# Altium PCB FlexiCan.PcbDoc (part 2 of 2)
Units mil, origin at the board's own origin, x right, y up, seen from the top; angles counter-clockwise.
Board outline 2800 x 1440 mil, 4 copper layers (Top Layer, Layer 1, Layer 2, Bottom Layer), stack 30.406 mil thick; 104 components, 92 nets, 498 pads, 201 vias.
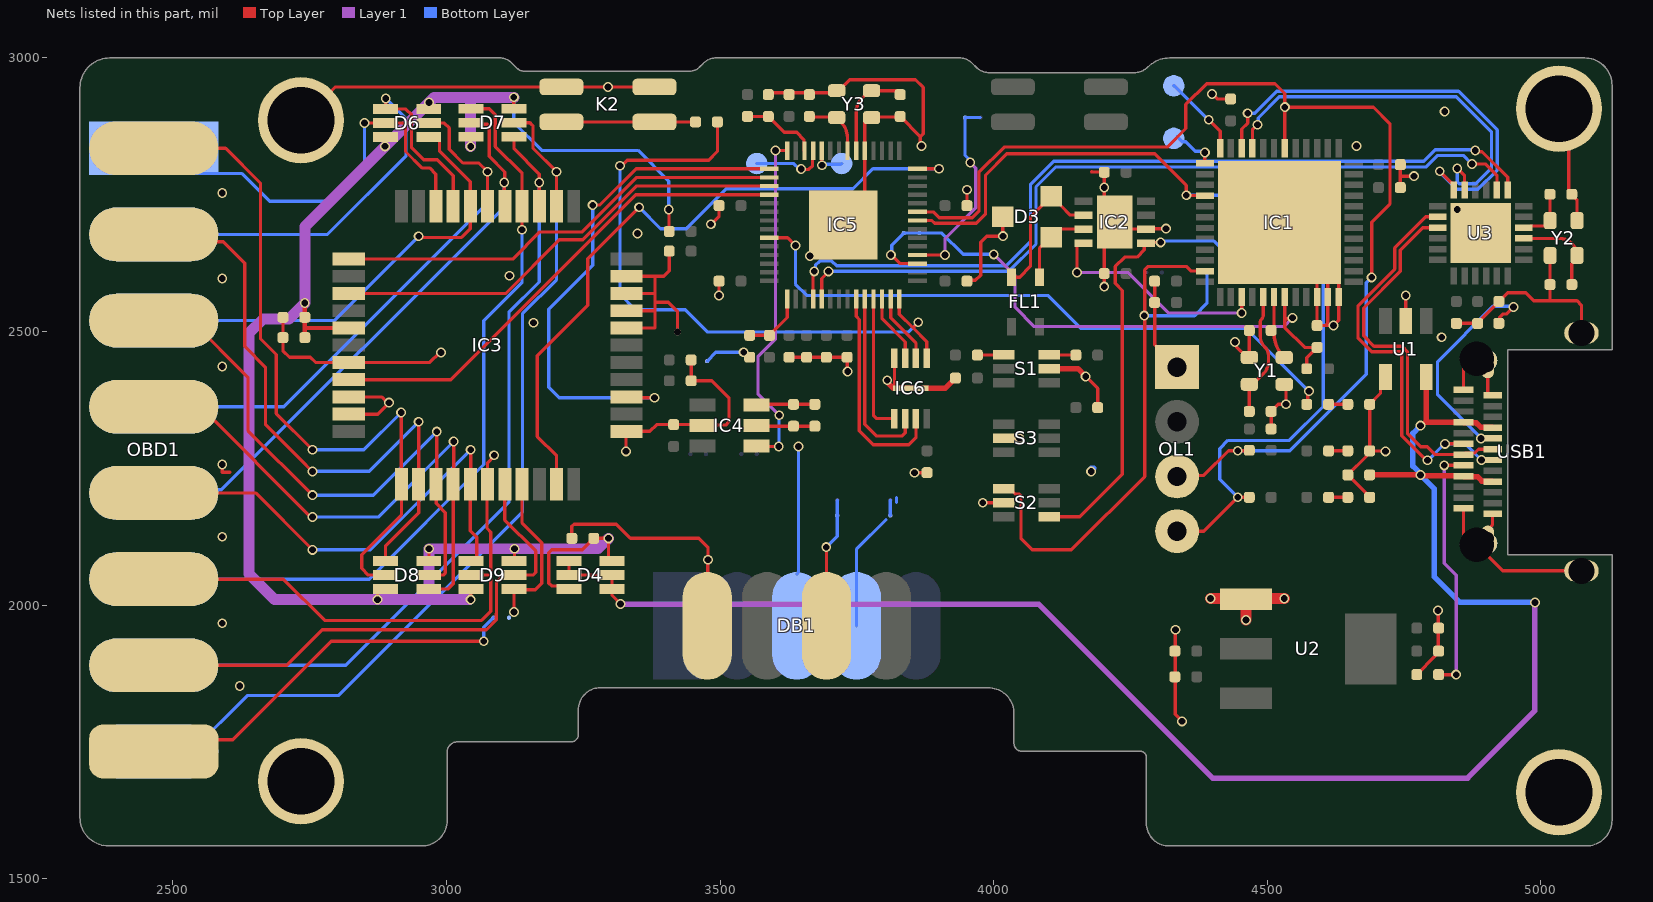
[diagram p4: the nets of this part, all layers, seen from the top]

## Via types
v1: diameter 18, hole 12.3, Top Layer to Bottom Layer, tented both sides, 200 vias
v2: diameter 12.3, hole 12.3, Top Layer to Bottom Layer, tented both sides, 1 vias

## Nets (pads, with @x,y where several pads share a name; then routed paths per layer and width w, separated by ;. In a path a pad name is that pad's centre, name@x,y a point inside that pad or via, vN(x,y) a via of type N, cw(c..) or ccw(c..) an arc to the next point about the centre after c; other vN are vias at no path point) (continued)
FDCAN_TX1: IC1.47 S2.1 SB6.1 | length 1079.1
  Top Layer w6: S2.1@4018.66,2212.59 4029.49,2212.59 4039.02,2203.06 4046.49,2203.06 4050,2199.54 4050,2121.51 4070.51,2101 4142,2101 4276,2235 4276,2529 4276,2612.58 4282.42,2619 4352,2619 4360.58,2610.42 IC1.47@4386.17,2610.42
  Bottom Layer w6: v1(4275,2529) 4367,2529 4389.58,2551.58 SB6.1@4389.58,2608
FDCAN_TX_TRANS: IC2.1 S2.4 SB6.2 | length 820.2
  Top Layer w4.41: IC2.1@4278.09,2661.61 4279.47,2663 v1(4305,2663)
  Top Layer w6: S2.4@4101.34,2161.41 4157.41,2161.41 4235,2239 4235,2575 4222,2588 4222,2619 4239,2636 4261.92,2636 4275.16,2649.24 4275.16,2658.69 IC2.1@4278.09,2661.61
  Bottom Layer w6: v1(4305,2663) 4307.3,2665.3 4402.7,2665.3 4418,2650 SB6.2@4418,2608
GND: C1.1 C2.1 C3.1 C4.1 C5.1 C6.1 C7.1 C8.2 C9.2 C10.1 C11.1 C12.1 C13.1 C14.1 C15.1 C16.1 C17.1 C18.1 C19.1 C20.1 C21.1 C22.1 C23.1 C24.1 C25.1 C26.1 C27.1 C28.1 C29.1 C30.1 C31.1 C34.1 C35.1 C36.2 C37.1 C38.1 C39.1 C40.1 C41.1 C42.1 C43.1 D1.2 D2.2 D3.3 D5.2 DB1.3 DB1.6 IC1.10 IC1.11 IC1.12 IC1.49 IC2.2 IC2.9 IC3.12 IC3.18 IC3.19 IC3.20 IC3.21 IC3.40 IC3.42 IC3.43 IC4.2 IC5.19 IC5.57 IC6.4 IC6.9 K2.1 K2.3 OL1.1 pad.9 R1.1 R2.1 R3.1 R14.1 S1.2 S2.2 S3.2 SB8.2 U1.2 U1.4 U2.1 U3.25 USB1.1 USB1.2 USB1.3 USB1.4 USB1.A1 USB1.A12 USB1.B1 USB1.B12 Y1.2 Y1.4 Y2.2 Y2.4 Y3.2 Y3.4 | length 7788.4
  Top Layer w6: v1(2590,2257) 2590,2243 2604,2243 ; C19.1@2701,2526 C21.1@2701,2489 2701,2465 2713,2453 2751,2453 2760.5,2443.5 IC3.40@2821.06,2443.5 2969.5,2443.5 2987.52,2461.52 v1(2989.99,2461.52) ; pad.9@2730,2882 pad.9@2734,2886 2736.08,2886 2797.08,2947 K2.1@3210,2947 v1(3295,2947) K2.3@3380,2947 ; IC3.43@2821.06,2349.02 2874.02,2349.02 v1(2895,2370) 2891.75,2370 2881.24,2380.51 IC3.42@2821.06,2380.51 ; v1(3115,2602) 3116,2602 v1@3116,2601 ; C20.1@3229,2122 3229,2144 3233,2148 3310,2148 3336,2122 3461,2122 3462.98,2120.02 3478,2105 v1(3478,2083) 3477.21,2082.21 3477.21,1963 DB1.6@3476.42,1962.2 ; v1(3328,2281) 3328,2316.58 IC3.12@3328.94,2317.52 3371.52,2317.52 3384,2330 C27.1@3415,2330 3465.79,2330 IC4.2@3467.79,2328 3468.79,2329 3510,2329 3516,2335 3516,2379 3485,2410 C28.1@3447,2410 C29.1@3447,2448 ; IC3.18@3328.94,2506.5 3381,2506.5 3381,2537.99 ; IC3.19@3328.94,2537.99 3381,2537.99 ; IC3.20@3328.94,2569.49 3381,2569.49 ; IC3.21@3328.94,2600.98 3381,2600.98 ; v1@3348,2679 v1(3349,2679) ; R14.1@3407,2647 3407,2611 3396.98,2600.98 3381,2600.98 ; v2(3422,2499) 3422,2537 3405.26,2553.74 3381,2553.74 ; v1(3483,2696) 3483.5,2696 3498,2710.5 C24.1@3498,2725 ; v1(3498,2566) C22.1@3498,2592 ; v1(3543,2462) 3546.69,2458.31 3547.15,2458.31 3547.15,2457.85 C35.1@3552,2453 ; C34.1@3588,2933 3591.61,2936.61 3709.39,2936.61 Y3.2@3713,2940.21 3716.94,2940.21 3736.72,2960 3857,2960 3871,2946 3871,2861.59 3865.7,2856.3 ; C42.1@3626,2453 C30.1@3658,2453 C23.1@3694,2453 C41.1@3732,2453 3732.5,2452.5 3732.5,2427.5 v1(3733,2427) ; v1(3664,2638) 3721,2695 IC5.57@3725,2695 3764.37,2734.37 IC5.19@3764.37,2830.35 3764.37,2880.96 3774.41,2891 Y3.4@3776.78,2891 3777.78,2892 3828,2892 C39.1@3829,2893 3865.7,2856.3 ; IC6.4@3818.47,2451.12 3818.47,2397.97 IC6.9@3820.44,2396 ; v1(3855,2242) C37.1@3878,2242 ; v1(3868,2839) 3865.7,2841.3 3865.7,2856.3 ; C43.1@3951,2592 3952.49,2593.49 3966.49,2593.49 3976,2603 3976,2663 3987.29,2674.29 v1(4016.71,2674.29) D3.3@4016.71,2710 ; C25.1@3951,2730 v1(3951,2759) ; v1(3980,2187) S2.2@4018.66,2187 ; S3.2@4018.66,2305 v1(4047,2305) ; v1(4168,2418) 4190,2396 C18.1@4190,2361 ; 4179,2792 4179.5,2791.5 4201.5,2791.5 C9.2@4202,2791 v1(4202,2763) 4202,2719 IC2.9@4221,2700 ; v1(4202,2582) R1.1@4202,2606 4202,2681 IC2.9@4221,2700 ; C6.1@4294,2592 C7.1@4294,2553 4294,2476 OL1.1@4335,2435 ; v1(4315,2688) 4314.6,2687.6 4278.48,2687.6 IC2.2@4278.09,2687.2 4233.8,2687.2 IC2.9@4221,2700 ; v1(4332,1955) 4331.5,1954.5 4331.5,1800.38 4344.2,1787.68 v1(4344.2,1787.63) ; v1(4399,2934) 4399.51,2934 4408.51,2925 C5.1@4433,2925 ; v1(4441,2481) 4443.3,2478.7 4443.3,2472.48 4463.17,2452.61 Y1.4@4467.11,2452.61 4467.11,2501.89 C11.1@4467,2502 ; U2.1@4459.38,2012 U2.1@4460.83,2010.55 ; C38.1@4507,2322 C10.1@4507,2354 4520,2367 v1(4534,2367) 4534,2400.28 Y1.2@4530.89,2403.39 ; IC1.49@4522,2699 IC1.49@4590.9,2630.1 ; D2.2@4687,2197 4687,2198 C1.1@4647,2238 4681.23,2272.23 4681.23,2276.23 D1.2@4687,2282 ; U1.4@4715.6,2416.82 4706.79,2408.01 4706.79,2386.79 D5.2@4687,2367 D1.2@4687,2282 ; v1(4716,2281) 4715.5,2281.5 4687.5,2281.5 D1.2@4687,2282 ; C13.1@4743,2763 4743,2784 ; C8.2@4743,2805 4743,2784 ; U1.2@4753,2519.18 v1(4753,2566) ; v1(4768,2784) 4743,2784 ; R2.1@4773,1873 4807.23,1907.23 4807.23,1910.23 C4.1@4813,1916 4812.5,1916.5 4812.5,1989.5 v1(4812,1990) ; v1@4823,2901 4824,2901 v1(4824,2902) ; C16.1@4845.39,2514.89 C17.1@4884.39,2514.89 4884.39,2515.64 4923,2554.25 R3.1@4923,2555 4939,2571 4972,2571 4987,2556 5017,2556 ; v1(4847,2723) U3.25@4890,2680 ; USB1.A1@4858.5,2176.65 4858.5,2119.61 4868.19,2109.92 USB1.1@4883.11,2109.92 4895.75,2109.92 4903.89,2101.78 4903.89,2089.11 4930.32,2062.68 USB1.3@5074.06,2062.68 ; USB1.A12@4858.5,2393.19 4858.5,2440.39 4868.19,2450.08 USB1.2@4883.11,2450.08 ; USB1.1@4902.8,2121.73 4902.8,2138.31 4911.65,2147.17 USB1.B12@4911.65,2166.81 ; USB1.2@4902.8,2438.27 4902.8,2386.25 4905.7,2383.35 USB1.B1@4911.65,2383.35 ; Y2.2@5016.79,2639 5016.59,2638.8 5016.59,2586.09 C15.1@5016.39,2585.89 5016.39,2556.61 5017,2556 ; pad.9@5033,2907 5050.63,2889.37 5050.63,2756.66 C14.1@5056.39,2750.89 5056.39,2749.81 5066,2740.2 Y2.4@5066,2702.78 ; USB1.4@5074.06,2497.32 5074.06,2547.94 5066,2556 5017,2556 ; 3381,2537.99 3381,2553.74 ; 3381,2553.74 3381,2569.49 ; 3381,2569.49 3381,2600.98 ; IC1.49@4590.9,2630.1 IC1.49@4610.58,2610.42 ; IC1.49@4590.9,2630.1 IC1.10@4590.9,2563.17 4590.95,2563.12 4590.95,2511.05 C12.1@4591,2511 4606,2511 ; 4606,2511 v1(4621,2511) 4630.27,2520.27 IC1.12@4630.27,2563.17 4630.27,2590.73 IC1.49@4610.58,2610.42 ; 4606,2511 4610.58,2515.58 IC1.11@4610.58,2563.17 IC1.49@4610.58,2610.42
  Top Layer w10: v1(3805.52,2410.92) 3807.05,2409.39 3807.05,2405.95 3817,2396 3820.44,2396 IC6.9@3848,2396 3911,2396 C26.1@3930,2415 ; S1.2@4101.34,2432 4154,2432 v1(4168,2418)
  Top Layer w20: v1(4396,2012) 4459.38,2012 v1(4531,2012) ; v1(4461,1973) 4461,2010.72 U2.1@4461.28,2011
  Bottom Layer w6: SB8.2@3476.21,2446 3492.21,2462 v1(3543,2462) ; DB1.3@3640,2056.81 3643,2059.81 v1(3643,2290) ; v1@4818,2489 4819,2489 v1(4818.5,2489.5)
  Bottom Layer w10: v1(4178,2244) 4178,2250 v1@4183,2250
  other v1: 2622,1852 2590,1967 2590,2125 2590,2436 3159,2516 2590,2597 2590,2753 4663,2839
HUB_XT_F4_IN: C14.2 U3.4 Y2.1 | length 102.2
  Top Layer w6: U3.4@4968.74,2689.84 4981.49,2692.75 5010.88,2692.94 Y2.1@5016.79,2702.78 5016.59,2702.98 5016.59,2750.69 C14.2@5016.39,2750.89
HUB_XT_F4_OUT: C15.2 U3.3 Y2.3 | length 172.1
  Top Layer w6: U3.3@4968.74,2670.16 5034.84,2670.16 cw(c5034.84,2639) Y2.3@5066,2639 5066,2633.49 5056.39,2623.88 C15.2@5056.39,2585.89
I2C_SCL: IC1.30 IC5.9 OL1.3 R12.1 | length 2077.3
  Top Layer w6: IC5.9@3860.35,2718.62 3889.38,2718.62 3900,2708 3961,2708 3973,2720 3973,2791 4019.02,2837.02 4317.02,2837.02 4351,2871 4351,2915 4389,2953 4514,2953 4532,2935 v1(4532,2910) ; OL1.3@4335,2235 4337,2237 4384,2237 4429,2282 v1(4446,2282) R12.1@4467,2282 ; IC1.30@4531.84,2834.83 4531.92,2834.91 4531.92,2909.92 v1(4532,2910) ; v1(4690.6,2599) 4690.6,2699.6 4724,2733 4724,2880 4694,2910 v1(4532,2910)
  Bottom Layer w6: v1(4446,2282) 4541,2282 4681,2422 4681,2589.4 v1(4690.6,2599)
I2C_SDA: IC1.40 IC5.8 OL1.4 R11.1 | length 1767.7
  Top Layer w6: IC5.8@3860.35,2702.87 3887.13,2702.87 3892.2,2697.8 3967.8,2697.8 3985.02,2715.02 3985.02,2786.02 4024,2825 4294,2825 4352,2767 v1(4352,2749) 4352.39,2748.61 4385.78,2748.61 IC1.40@4386.17,2748.21 ; OL1.4@4335,2135 4384,2135 v1(4446,2197) R11.1@4467,2197
  Bottom Layer w6: v1(4352,2749) 4578,2749 4602,2725 4602,2363 4540,2301 4428,2301 4413,2286 4413,2230 v1(4446,2197)
NetC32_1: C32.1 C33.1 IC4.6 | length 107.4
  Top Layer w6: IC4.6@3566.21,2365.4 3567.81,2367 C33.1@3634,2367 C32.1@3673,2367
NetC32_2: C32.2 C33.2 IC4.5 | length 107.2
  Top Layer w6: IC4.5@3566.21,2328 3567.21,2327 C33.2@3634,2327 C32.2@3673,2327
NetC35_2: C35.2 IC5.43 L1.1 | length 116.2
  Top Layer w6: C35.2@3554,2493 L1.1@3590,2493 3622.64,2525.64 IC5.43@3622.64,2559.65
NetD1_1: D1.1 R5.2 | length 35
  Top Layer w6: R5.2@4612,2282 D1.1@4647,2282
NetD2_1: D2.1 R6.2 | length 35
  Top Layer w6: R6.2@4612,2197 D2.1@4647,2197
NetD3_1: D3.1 FL1.1 IC2.7 | length 147.6
  Top Layer w6: FL1.1@4083.59,2599.28 4083.59,2651.88 4104.31,2672.6 D3.1@4105.29,2672.6 4119.9,2687.2 IC2.7@4163.91,2687.2
NetD3_2: D3.2 FL1.2 IC2.6 | length 261.1
  Top Layer w6: FL1.2@4032.41,2599.28 4047.28,2599.28 4067,2619 4067,2709.11 4088.61,2730.72 4088.61,2731.7 4104.31,2747.4 4106.28,2747.4 4121.98,2731.7 4121.98,2730.72 4139.9,2712.8 IC2.6@4163.91,2712.8
NetD5_1: D5.1 R15.2 | length 35
  Top Layer w6: R15.2@4612,2367 D5.1@4647,2367
NetDB1_4: DB1.4 SB1.2 | length 225.3
  Bottom Layer w6: DB1.4@3749.06,1962.2 3749.06,2101.84 3803.12,2155.91 ; 3822.14,2187.6 3822.14,2196.82
NetDB1_8: DB1.8 SB2.1 | length 210.1
  Top Layer w6: v1(3694,2106) 3694.26,2105.74 3694.26,1962.47 DB1.8@3694.53,1962.2
  Bottom Layer w6: v1(3694,2106) 3714,2126 SB2.1@3714,2163.79
NetIC5_3: IC5.3 SB9.2 | length 104.8
  Top Layer w6: v1(3812,2640) 3813,2640 3828.87,2624.13 IC5.3@3860.35,2624.13
  Bottom Layer w6: v1(3812,2640) 3813.79,2641.79 3813.79,2658 SB9.2@3835.79,2680
NetIC5_4: IC5.4 SB10.2 | length 333.1
  Top Layer w6: IC5.4@3860.35,2639.88 IC5.4@3860.35,2639.88 v1(3910.94,2639.94)
  Layer 1 w6: v1(3910.94,2639.94) 3910.94,2669.94 3967.2,2726.2 3967.2,2798.8 v1(3957,2809)
  Bottom Layer w6: SB10.2@3947.58,2891 3947.58,2821.67 3957,2812.25 v1(3957,2809)
NetIC5_24: IC5.24 TP3.1 | length 63.8
  Top Layer w6: IC5.24@3685.63,2830.35 3685.82,2830.17 3685.82,2804.18 v1(3686,2804)
  Bottom Layer w6: v1(3686,2804) 3687.5,2805.5 3720.5,2805.5 TP3.1@3722,2807
NetIC5_25: IC5.25 TP4.1 | length 137
  Top Layer w6: v1(3648,2797) 3648.77,2796.23 3662.23,2796.23 3668.94,2802.94 3668.94,2829.42 IC5.25@3669.88,2830.35
  Bottom Layer w6: TP4.1@3567,2807 3634.75,2807 3644.75,2797 v1(3648,2797)
NetIC5_37: IC5.37 R15.1 | length 1169.3
  Top Layer w6: IC5.37@3589.65,2671.38 3623.24,2671.38 v1(3637.62,2657) ; R15.1@4572,2367 4574,2369 4574,2389 v1(4576,2391)
  Bottom Layer w6: v1(3637.62,2657) 3637.62,2586.76 3658.38,2566 4099,2566 4159,2506 4461,2506 v1(4576,2391)
NetK2_2: K2.2 K2.4 R10.2 | length 245
  Top Layer w6: K2.2@3210,2883 K2.4@3380,2883 R10.2@3455,2883
NetOBD1_16: OBD1.16 SB3.1 | length 736.7
  Top Layer w6: OBD1.16@2465,1732.56 2486.61,1754.17 2609.17,1754.17 2789,1934 v1(3068,1934)
  Bottom Layer w6: v1(3068,1934) 3068,1959.42 SB3.1@3085.58,1977
NetR2_2: R2.2 USB1.A5 | length 458.5
  Top Layer w6: R2.2@4813,1873 v1(4845,1873) ; v1(4823.39,2255.39) USB1.A5@4858.5,2255.39
  Layer 1 w6: v1(4823.39,2255.39) 4823.39,2076.61 4845,2055 v1(4845,1873)
NetR3_2: R3.2 USB1.B5 | length 411.2
  Top Layer w6: v1(4890.61,2304.61) USB1.B5@4911.65,2304.61 ; R3.2@4924.34,2524 4924.34,2526.39 4929.85,2531.9 4936.9,2531.9 v1(4950,2545)
  Bottom Layer w6: v1(4890.61,2304.61) 4811,2384.21 4811,2444.66 4912.34,2546 4949,2546 v1(4950,2545)
NetR7_2: R7.2 S1.3 | length 48.9
  Top Layer w6: S1.3@4101.34,2457.59 4101.63,2457.3 4149.7,2457.3 R7.2@4150,2457
NetR8_1: R8.1 S1.4 | length 48.9
  Top Layer w6: R8.1@3970,2457 3970.3,2457.3 4018.37,2457.3 S1.4@4018.66,2457.59
OBD_P1: D6.5 IC3.31 OBD1.1 | length 791.3
  Top Layer w6: v1(2850,2881) D6.5@2888.63,2881 2921,2881 2925,2877 2925,2829 2955,2799 2969,2799 2980.51,2787.49 IC3.31@2980.51,2728.94
  Bottom Layer w6: OBD1.1@2465,2834.92 2511.21,2788.71 2626.29,2788.71 2677,2738 2794,2738 2850,2794 v1(2850,2881)
OBD_P2: D6.4 IC3.30 OBD1.2 | length 925.3
  Top Layer w6: v1(2889,2926) 2889,2906.96 D6.4@2888.63,2906.59 2925.41,2906.59 2936,2896 2936,2836 2958,2814 2983,2814 3012.01,2784.99 IC3.30@3012.01,2728.94
  Bottom Layer w6: OBD1.2@2465,2677.44 2782.44,2677.44 2926,2821 2926,2889 v1(2889,2926)
OBD_P3: D6.1 IC3.29 OBD1.3 | length 856.8
  Top Layer w6: v1(2949,2674) 2951,2672 3027.5,2672 3043.5,2688 IC3.29@3043.5,2728.94 3043.5,2773.5 3023.5,2793.5 2987.01,2829.99 2987.01,2849.55 2981.15,2855.41 D6.1@2967.37,2855.41
  Bottom Layer w6: OBD1.3@2465,2519.96 2794.96,2519.96 v1(2949,2674)
OBD_P4: D6.2 IC3.28 OBD1.4 | length 1051.7
  Top Layer w6: D6.2@2967.37,2881 2996,2881 3005,2872 3005,2833 3030,2808 3059,2808 v1(3075,2792) IC3.28@3075,2728.94
  Bottom Layer w6: OBD1.4@2465,2362.48 2702.48,2362.48 3075,2735 v1(3075,2792)
OBD_P5: D7.5 IC3.27 OBD1.5 | length 1095.3
  Top Layer w6: D7.5@3044.63,2881.32 3046.95,2879 3074.29,2879 3077.8,2875.49 3077.8,2820.2 3106.5,2791.5 v1@3106.5,2773 ; v1(3105.49,2772.21) 3105.49,2729.94 IC3.27@3106.5,2728.94
  Bottom Layer w6: OBD1.5@2465,2205 2470.6,2210.6 2588.6,2210.6 3105.49,2727.49 v1(3105.49,2772.21)
OBD_P6: D7.4 IC3.26 OBD1.6 | length 1426.9
  Top Layer w6: D7.4@3044.63,2906.91 3078.09,2906.91 3089,2896 3089,2838 3137.99,2789.01 IC3.26@3137.99,2728.94 v1(3138,2686)
  Bottom Layer w6: OBD1.6@2465,2047.52 2858.52,2047.52 3068,2257 3068,2520 3138,2590 v1(3138,2686)
OBD_P7: D7.1 IC3.25 OBD1.7 | length 1525.5
  Top Layer w6: D7.1@3123.37,2855.73 3123.37,2833.63 3169.49,2787.51 IC3.25@3169.49,2728.94
  Bottom Layer w6: OBD1.7@2465,1890.04 2816,1890.04 3114,2188.04 3114,2535 3169.49,2590.49 v1(3169.49,2772.21)
OBD_P8: D7.2 IC3.24 OBD1.8 | length 1704
  Top Layer w6: D7.2@3123.37,2881.32 3152.68,2881.32 3154.98,2879.02 3158,2876 3158,2834.98 v1(3200.98,2792) IC3.24@3200.98,2728.94
  Bottom Layer w6: OBD1.8@2465,1732.56 2533.9,1732.56 2636.34,1835 2803,1835 3139,2171 3139,2533 3200.98,2594.98 v1(3200.98,2792)
OBD_P9: D8.5 IC3.1 OBD1.9 | length 1301.8
  Top Layer w6: OBD1.9@2465,2834.92 2596.08,2834.92 2660,2771 2660,2487 2689,2458 2689,2350 v1(2755,2284) ; D8.5@2888.63,2055 2857,2055 2845,2067 2845,2092 2917.52,2164.52 IC3.1@2917.52,2221.06 2917,2221.58 v1(2917,2352)
  Bottom Layer w6: v1(2755,2284) 2849,2284 v1(2917,2352)
OBD_P10: D8.4 IC3.2 OBD1.10 | length 1131.2
  Top Layer w6: OBD1.10@2465,2677.44 2478.55,2663.89 2592.11,2663.89 2631,2625 2631,2473 2669,2435 2669,2330.54 2733.73,2265.81 2733.73,2265.27 v1(2755,2244) ; D8.4@2888.63,2080.59 2888.63,2108.63 2949.02,2169.02 IC3.2@2949.02,2221.06 ; IC3.2@2949.02,2221.06 v1(2949,2335)
  Bottom Layer w6: v1(2755,2244) 2755.54,2244.54 2858.54,2244.54 v1(2949,2335)
OBD_P11: D8.2 IC3.3 OBD1.11 | length 1051.5
  Top Layer w6: OBD1.11@2465,2519.96 2533.9,2519.96 2637,2416.86 2637,2319 v1@2754.16,2201.84 ; D8.2@2967.37,2055 2994.29,2055 2997.8,2058.51 2997.8,2169.2 2980.95,2186.05 2980.95,2220.62 IC3.3@2980.51,2221.06 2982,2222.55 v1(2982,2317)
  Bottom Layer w6: v1(2755,2201) 2866,2201 v1(2982,2317)
OBD_P12: D8.1 IC3.4 OBD1.12 | length 994.9
  Top Layer w6: OBD1.12@2465,2362.48 2550.77,2362.48 v1@2752.25,2161 ; D8.1@2967.37,2029.41 3002.41,2029.41 3012.01,2039.01 IC3.4@3012.01,2221.06 3013,2222.06 v1(3013,2299)
  Bottom Layer w6: v1(2755,2161) 2875,2161 v1(3013,2299)
OBD_P13: D9.4 IC3.5 OBD1.13 | length 913.2
  Top Layer w6: OBD1.13@2465,2205 2651,2205 v1(2755,2101) ; v1(3044,2284) 3044,2221.56 IC3.5@3043.5,2221.06 3043.5,2135.5 3055,2124 3055,2086.45 3049.14,2080.59 D9.4@3044.63,2080.59
  Bottom Layer w6: v1(2755,2101) 2861,2101 v1(3044,2284)
OBD_P14: D9.5 IC3.6 OBD1.14 | length 984
  Top Layer w6: OBD1.14@2465,2047.52 2701.48,2047.52 2777,1972 3064,1972 3081,1989 3081,2055 ; D9.5@3044.63,2055 3081,2055 ; v1(3087,2274) 3087,2272.54 3075,2260.54 IC3.6@3075,2221.06 3074,2220.06 3074,2140 3081,2133 3081,2055
OBD_P15: D9.2 IC3.7 OBD1.15 | length 993.3
  Top Layer w6: OBD1.15@2465,1890.04 2708.04,1890.04 2773,1955 3073,1955 3091,1973 3091,1984.58 3091.2,1984.78 3091.2,2042.2 3098.14,2049.14 3117.51,2049.14 D9.2@3123.37,2055 3158,2055 3163,2060 3163,2099 3106.5,2155.5 IC3.7@3106.5,2221.06
OBD_P16: D9.1 IC3.8 SB3.2 | length 294.2
  Top Layer w6: v1(3123.37,1987.37) D9.1@3123.37,2029.41 3124.78,2028 3162,2028 3174,2040 3174,2114 3137.99,2150.01 IC3.8@3137.99,2221.06
QSPI_CLK: IC5.52 IC6.6 | length 340
  Top Layer w6: IC5.52@3764.37,2559.65 3764.37,2330.63 3786,2309 3832,2309 3838.16,2315.16 IC6.6@3838.16,2340.88
QSPI_CS: IC5.56 IC6.1 R10.1 | length 1202.5
  Top Layer w6: v1(3317,2803) 3320.25,2803 3330.25,2813 3479,2813 3495,2829 R10.1@3495,2883 ; IC5.56@3827.36,2559.65 3827.36,2531.64 3852.44,2506.56 ; v1(3862,2517) 3862,2516.11 3852.44,2506.56 ; IC6.1@3877.53,2451.12 3877.53,2481.47 3852.44,2506.56
  Bottom Layer w6: v1(3317,2803) 3317,2568 3345,2540 3436,2540 3477,2499 3844,2499 v1(3862,2517)
QSPI_SD0: IC5.53 IC6.5 | length 253.6
  Top Layer w6: IC5.53@3780.12,2559.65 3780.12,2346.88 3786.12,2340.88 IC6.5@3818.47,2340.88
QSPI_SD1: IC5.55 IC6.2 | length 127.7
  Top Layer w6: IC5.55@3811.61,2559.65 3811.61,2525.39 3857.84,2479.16 IC6.2@3857.84,2451.12
QSPI_SD2: IC5.54 IC6.3 | length 126
  Top Layer w6: IC5.54@3795.87,2559.65 3795.87,2523.13 3838.16,2480.84 IC6.3@3838.16,2451.12
QSPI_SD3: IC5.51 IC6.7 | length 397.8
  Top Layer w6: IC5.51@3748.62,2559.65 3748.62,2527.55 3754.17,2522 3754.17,2318.83 3780,2293 3845,2293 3857.84,2305.84 IC6.7@3857.84,2340.88
RESET_1: C12.2 IC1.7 R4.1 SB9.1 | length 985.2
  Top Layer w6: IC1.7@4531.84,2563.17 4531.84,2523.16 ; v1(4546,2525) 4544.16,2523.16 4531.84,2523.16 ; R4.1@4572,2432 4572,2452 C12.2@4591,2471 4568,2471 4531.84,2507.16 4531.84,2523.16
  Layer 1 w6: v1(4000,2641) 4039,2602 4039,2544 4074,2509 4530,2509 v1(4546,2525)
  Bottom Layer w6: SB9.1@3864.21,2680 3905,2680 3944,2641 v1(4000,2641)
RESET_PI: C34.2 IC5.26 R9.1 | length 141.5
  Top Layer w6: R9.1@3550,2893 C34.2@3588,2893 3617,2864 3640,2864 3653.2,2850.8 3653.2,2831.29 IC5.26@3654.13,2830.35
STB_1: IC1.3 IC2.8 | length 424.1
  Top Layer w6: v1(4152,2608) 4152,2657.72 4155.89,2661.61 IC2.8@4163.91,2661.61 ; v1(4453,2534) 4453.05,2534.05 4453.05,2563.12 IC1.3@4453.1,2563.17
  Layer 1 w6: v1(4152,2608) 4245,2608 4319,2534 v1(4453,2534)
SW_CLK: IC3.34 IC5.30 | length 830.4
  Top Layer w6: IC3.34@2821.06,2632.48 3121,2632.48 3170.52,2682 3248,2682 3347.61,2781.61 IC5.30@3589.65,2781.61
SW_DAT: IC3.36 IC5.31 | length 849.9
  Top Layer w6: IC3.36@2821.06,2569.49 3108,2569.49 3206.19,2667.68 3248.68,2667.68 3346.87,2765.87 IC5.31@3589.65,2765.87
SW_PS: IC3.10 IC5.14 | length 1249.3
  Top Layer w6: IC3.10@3200.98,2221.06 3200.98,2273 3166,2307.98 3166,2456 3258,2548 3258,2633 v1(3352,2727) ; IC5.14@3860.35,2797.36 v1(3900.13,2797.36) v1@3902.64,2797.36
  Bottom Layer w6: v1(3352,2727) 3391,2688 3438,2688 3511,2761 3742.8,2761 3779.16,2797.36 v1(3900.13,2797.36)
SW_RST: IC3.41 IC5.32 | length 908.6
  Top Layer w6: IC3.41@2821.06,2412.01 3007.43,2412.01 3345.54,2750.12 IC5.32@3589.65,2750.12
SW_STB: IC3.14 IC5.29 | length 968.8
  Top Layer w6: v1(3267,2731) 3267.23,2731.23 3280.23,2731.23 3346.36,2797.36 IC5.29@3589.65,2797.36 ; IC3.14@3328.94,2380.51 3330.45,2379 v1(3380,2379)
  Bottom Layer w6: v1(3267,2731) 3267,2621 3187,2541 3187,2398 3206,2379 v1(3380,2379)
SWCLK: IC1.37 TP1.1 | length 82.5
  Top Layer w6: v1(4385.86,2827.2) 4385.86,2807.58 IC1.37@4386.17,2807.27
  Bottom Layer w6: TP1.1@4335.28,2855.85 4344.41,2846.72 4351.28,2846.72 4368.5,2829.5 4383.56,2829.5 v1(4385.86,2827.2)
SWDIO_1: IC1.36 TP2.1 | length 150.4
  Top Layer w6: v1(4393,2887) 4413.73,2866.27 IC1.36@4413.73,2834.83
  Bottom Layer w6: TP2.1@4329,2949 4330,2949 4392,2887 v1(4393,2887)
TYPEC_VUSB: C1.2 D4.1 D4.2 D4.4 D4.5 U1.5 USB1.A4 USB1.A9 USB1.B4 USB1.B9 | length 3157.6
  Top Layer w6: D4.4@3223.63,2080.59 D4.5@3223.63,2055 D4.2@3302.37,2055 D4.1@3302.37,2029.41 3302.37,2017.63 v1(3318,2002)
  Top Layer w10: C1.2@4687,2238 v1(4780,2238) 4781.39,2236.61 4857.6,2236.61 USB1.A4@4858.5,2235.71 4859.41,2234.8 4884.2,2234.8 4892.23,2226.77 4910.75,2226.77 USB1.B9@4911.65,2225.87 ; U1.5@4790.4,2416.82 4790.4,2336.24 4788.3,2334.13 USB1.A9@4858.5,2334.13 4859.41,2333.23 4881.77,2333.23 4889.8,2325.2 4910.75,2325.2 USB1.B4@4911.65,2324.29
  Layer 1 w10: v1(3318,2002) 4082,2002 4400,1684 4866,1684 4989,1807 v1(4989,2005)
  Bottom Layer w10: v1(4780,2328) 4766,2314 4766,2254.16 4780,2240.16 v1(4780,2238) 4805,2213 4805,2052 4852,2005 v1(4989,2005)
USB2_N: IC5.46 U3.7 | length 1527.8
  Top Layer w6: IC5.46@3669.88,2559.65 3669.88,2607.88 v1(3672,2610) ; v1(4880,2831) 4882.3,2828.7 4892.3,2828.7 4939.21,2781.79 U3.7@4939.21,2758.74
  Bottom Layer w6: v1(3672,2610) 3674.23,2612.23 3674.23,2621.23 3681.76,2628.76 3704.24,2628.76 3712.8,2620.2 4023.2,2620.2 4067,2664 4067,2768.42 4109.58,2811 4786,2811 4807,2832 4879,2832 v1(4880,2831)
USB2_P: IC5.47 U3.8 | length 1467.7
  Top Layer w6: IC5.47@3685.63,2559.65 3685.63,2596.91 3698,2609.28 v1(3698,2610) ; v1(4874,2806) 4899,2806 4919.53,2785.47 U3.8@4919.53,2758.74
  Bottom Layer w6: v1(3698,2610) 4027.42,2610 4077.2,2659.78 4077.2,2764.2 4113.8,2800.8 4790.22,2800.8 4811.22,2821.8 4858.2,2821.8 v1(4874,2806)
USB_CAN_DM: IC1.33 U3.11 | length 739.7
  Top Layer w6: IC1.33@4472.79,2834.83 4472.79,2868.49 4482,2877.7 v1(4482,2878) ; v1(4847,2798) 4860.47,2784.53 U3.11@4860.47,2758.74
  Bottom Layer w6: v1(4482,2878) 4483.23,2879.23 4483.23,2890.23 4521.8,2928.8 4845.2,2928.8 4909.8,2864.2 4909.8,2799.22 4880.58,2770 4850.51,2770 4847,2773.51 v1(4847,2798)
USB_CAN_DP: IC1.34 U3.12 | length 824.1
  Top Layer w6: IC1.34@4453.1,2834.83 4453.1,2870.1 4464,2881 v1(4464,2899) ; v1(4815,2793) 4836.51,2771.49 4837.88,2771.49 4840.79,2768.58 U3.12@4840.79,2758.74
  Bottom Layer w6: v1(4464,2899) 4476.8,2899 4516.8,2939 4849.43,2939 4920,2868.43 4920,2795 4884.8,2759.8 4846.29,2759.8 4815,2791.09 v1(4815,2793)
USB_DM: U3.14 USB1.A7 USB1.B7 | length 778.9
  Top Layer w6: v1(4792.8,2264.8) 4790.78,2264.8 4745.8,2309.78 4745.8,2459.2 4742,2463 4690.58,2463 4665.8,2487.78 4665.8,2547.22 4732.8,2614.22 4732.8,2652.8 4789.53,2709.53 U3.14@4811.26,2709.53 ; v1(4824.76,2294.76) USB1.A7@4858.5,2294.76 ; v1(4891.24,2265.24) USB1.B7@4911.65,2265.24
  Bottom Layer w6: v1(4792.8,2264.8) 4793.8,2264.8 4823.76,2294.76 v1(4824.76,2294.76) 4861.71,2294.76 v1(4891.24,2265.24)
USB_DP: U3.15 USB1.A6 USB1.B6 | length 686.8
  Top Layer w6: U3.15@4811.26,2689.84 4784.27,2689.84 4743,2648.58 4743,2610 4676,2543 4676,2492 4694.8,2473.2 4746.22,2473.2 4756,2463.42 4756,2314 4780.5,2289.5 4792.5,2289.5 4806.92,2275.08 USB1.A6@4858.5,2275.08 4861.41,2277.98 4878.98,2277.98 4885.92,2284.92 USB1.B6@4911.65,2284.92
VDD_CH446Q: C19.2 C20.2 C21.2 D4.3 D4.6 D6.3 D6.6 D7.3 D7.6 D8.3 D8.6 D9.3 D9.6 IC3.38 R13.2 | length 3106.8
  Top Layer w6: v1(2874,2010) 2874,2023.55 2882.77,2023.55 D8.6@2888.63,2029.41 ; D8.3@2967.37,2080.59 2968,2081.22 v1(2968,2103) ; v1@3044,2008 3044,2028.78 D9.6@3044.63,2029.41 ; v1(3123,2928) 3123,2907.28 D7.3@3123.37,2906.91 ; D9.3@3123.37,2080.59 3124,2081.22 v1(3124,2103) ; D4.6@3223.63,2029.41 3218.03,2035.01 3191.99,2035.01 3187,2040 3187,2096 3192,2101 3248,2101 C20.2@3269,2122 v1(3296,2122) 3296,2086.45 3301.86,2080.59 D4.3@3302.37,2080.59 ; v1(3406,2723) 3406.5,2722.5 3406.5,2683.5 R13.2@3407,2683
  Top Layer w8: C21.2@2741,2489 2741,2507.5 ; v1(2741,2552) C19.2@2741,2526 2741,2507.5 ; IC3.38@2821.06,2506.5 2742,2506.5 2741,2507.5
  Layer 1 w20: v1(2874,2010) 2966,2010 ; v1@2874.5,2010.5 2685.5,2010.5 2639,2057 2639,2497 2665,2523 2712,2523 v1(2741,2552) 2741,2691.74 v1(2887.63,2838.37) v1(2968,2918.74) 2977.26,2928 v1(3123,2928) ; v1@3042,2010 2966,2010 ; v1(3044,2838) 3044,2918.74 ; v1(3296,2122) 3277,2103 v1(3124,2103) v1(2968,2103) 2968,2012 2966,2010
  Bottom Layer w6: v1(3123,2928) 3123,2882 3174,2831 3350,2831 3406,2775 v1(3406,2723)
  other v1: 3044,2010
VEE_EN_CH446: IC4.4 IC5.28 | length 633.8
  Top Layer w6: IC4.4@3566.21,2290.6 3566.81,2290 v1(3607,2290) ; v1(3601,2831) 3621.99,2831 IC5.28@3622.64,2830.35
  Layer 1 w6: v1(3601,2831) 3601,2486 3569,2454 3569,2386 v1(3608,2347)
  Bottom Layer w6: v1(3607,2290) 3607.5,2290.5 3607.5,2346.5 v1(3608,2347)
XT_F4_IN: C39.2 IC5.20 Y3.1 | length 177.5
  Top Layer w6: IC5.20@3748.62,2830.35 3748.62,2901 cw(c3784.82,2901) 3759.22,2926.59 3772.84,2940.21 Y3.1@3776.78,2940.21 3820.7,2940.21 3827.92,2933 C39.2@3829,2933
XT_F4_OUT: C40.2 IC5.21 Y3.3 | length 117.7
  Top Layer w6: C40.2@3663,2893 3664,2892 3712,2892 Y3.3@3713,2891 3719.49,2884.51 cw(c3687.18,2852.2) 3732.87,2852.2 IC5.21@3732.87,2830.35
XT_G4_IN: C10.2 IC1.5 Y1.1 | length 231
  Top Layer w6: C10.2@4467,2354 4467,2403.28 Y1.1@4467.11,2403.39 ccw(c4467.11,2418.56) 4477.84,2407.84 4493.33,2423.33 ccw(c4472.41,2444.26) 4502,2444.26 4502,2456.51 ccw(c4481.51,2456.51) 4496,2471 4495.49,2471.51 cw(c4515.97,2492) 4487,2492 4487,2517.17 cw(c4493.83,2517.17) 4489,2522 ccw(c4480.62,2530.38) 4492.47,2530.38 IC1.5@4492.47,2563.17
XT_G4_OUT: C11.2 IC1.6 Y1.3 | length 115.6
  Top Layer w6: IC1.6@4512.16,2563.17 4512.16,2497.83 ccw(c4576.11,2497.83) Y1.3@4530.89,2452.61
pads on no net: DB1.1 DB1.5 DB1.9 IC1.2 IC1.4 IC1.8 IC1.9 IC1.13 IC1.14 IC1.15 IC1.16 IC1.17 IC1.18 IC1.19 IC1.22 IC1.24 IC1.26 IC1.27 IC1.28 IC1.31 IC1.32 IC1.38 IC1.39 IC3.9 IC3.22 IC3.23 IC3.32 IC3.44 IC5.2 IC5.5 IC5.6 IC5.7 IC5.13 IC5.16 IC5.17 IC5.18 IC5.27 IC5.36 IC5.38 S1.1 U1.3 U3.1 U3.2 U3.5 U3.6 U3.9 U3.10 U3.13 U3.16 U3.17 U3.18 U3.21 U3.22 U3.23 U3.24 USB1.A2 USB1.A3 USB1.A8 USB1.A10 USB1.A11 USB1.B2 USB1.B3 USB1.B8 USB1.B10 USB1.B11
copper on no net: | length 1
  Bottom Layer w6: 3095,2603 3096,2603

## Polygon pours and split planes (outlines as drawn)
3V3 on Layer 1 "3V3_L02_P023" (solid, remove dead copper, pour order 23): 2284,3081 2284,1509 5177,1509 5177,3073
5VDC on Layer 1 "5VDC_L02_P003" (solid, remove dead copper, pour order 3): 2691,2470 2804.98,2470 2845,2429.98 2845,2303 2884,2264 3850,2264 3918,2332 3918,2405 3933,2420 4001,2420 4015,2406 4015,2277 4065,2227 4186,2227 4504,1909 4671.02,1909 4694,1931.98 4694,2093 4694,2347 4721,2374 4840,2374 4867,2347 4867,2126 4953,2040 4953,1810 4864,1721 4437,1721 4322,1836 4118,2040 2815,2040 2691,2164
GND on Layer 2 "GND_L03_P010" (solid, remove dead copper, pour order 10): 2248,3118 2248,1411 5301,1411 5301,3115.99
GND on Top Layer "GND_L01_P022" (solid, remove dead copper, pour order 22): 2275,3122 2275,1454 5248,1454 5248,3118
GND on Bottom Layer "GND_L04_P024" (solid, remove dead copper, pour order 24): 2268,3076 2268,1465 5239,1465 5239,3091

## Keep-outs
Keep-Out Layer:
  lines w6: 2330,1611.98 ccw(c2381.98,1611.98) 2381.98,1560 ; 2330,1611.98 ccw(c2381.98,1611.98) 2381.98,1560 ; 2330,1611.98 2330,2945.42 ; 2330,1611.98 2330,2945.42 ; 2330,2945.42 cw(c2384.58,2945.42) 2384.58,3000 ; 2330,2945.42 cw(c2384.58,2945.42) 2384.58,3000 ; 2381.98,1560 2955.03,1560 ; 2381.98,1560 2955.03,1560 ; 2384.58,3000 3097.02,3000 ; 2384.58,3000 3097.02,3000 ; 2955.03,1560 ccw(c2955.03,1605.97) 3001,1605.97 ; 2955.03,1560 ccw(c2955.03,1605.97) 3001,1605.97 ; 3001,1605.97 3001,1731.25 ; 3001,1605.97 3001,1731.25 ; 3001,1731.25 cw(c3019.75,1731.25) 3019.75,1750 ; 3001,1731.25 cw(c3019.75,1731.25) 3019.75,1750 ; 3019.75,1750 3227.34,1750 ; 3019.75,1750 3227.34,1750 ; 3097.02,3000 cw(c3097.02,2968.65) 3119.18,2990.82 ; 3097.02,3000 cw(c3097.02,2968.65) 3119.18,2990.82 ; 3119.18,2990.82 3129.01,2980.99 ; 3119.18,2990.82 3129.01,2980.99 ; 3129.01,2980.99 ccw(c3141.05,2993.04) 3141.05,2976 ; 3129.01,2980.99 ccw(c3141.05,2993.04) 3141.05,2976 ; 3141.05,2976 3445.1,2976 ; 3141.05,2976 3445.1,2976 ; 3227.34,1750 ccw(c3227.34,1763.66) 3241,1763.66 ; 3227.34,1750 ccw(c3227.34,1763.66) 3241,1763.66 ; 3241,1763.66 3241,1808.9 ; 3241,1763.66 3241,1808.9 ; 3241,1808.9 cw(c3281.1,1808.9) 3281.1,1849 ; 3241,1808.9 cw(c3281.1,1808.9) 3281.1,1849 ; 3281.1,1849 3990.03,1849 ; 3281.1,1849 3990.03,1849 ; 3445.1,2976 ccw(c3445.1,2999.9) 3462,2983 ; 3445.1,2976 ccw(c3445.1,2999.9) 3462,2983 ; 3462,2983 3468.95,2989.95 ; 3462,2983 3468.95,2989.95 ; 3468.95,2989.95 cw(c3493.21,2965.69) 3493.21,3000 ; 3468.95,2989.95 cw(c3493.21,2965.69) 3493.21,3000 ; 3493.21,3000 3936.86,3000 ; 3493.21,3000 3936.86,3000 ; 3936.86,3000 cw(c3936.86,2965.86) 3961,2990 ; 3936.86,3000 cw(c3936.86,2965.86) 3961,2990 ; 3961,2990 3968.02,2982.98 ; 3961,2990 3968.02,2982.98 ; 3968.02,2982.98 ccw(c3992.11,3007.07) 3992.11,2973 ; 3968.02,2982.98 ccw(c3992.11,3007.07) 3992.11,2973 ; 3990.03,1849 cw(c3990.03,1802.03) 4037,1802.03 ; 3990.03,1849 cw(c3990.03,1802.03) 4037,1802.03 ; 3992.11,2973 4256.76,2973 ; 3992.11,2973 4256.76,2973 ; 4037,1747.11 ccw(c4051.11,1747.11) 4051.11,1733 ; 4037,1747.11 ccw(c4051.11,1747.11) 4051.11,1733 ; 4037,1747.11 4037,1802.03 ; 4037,1747.11 4037,1802.03 ; 4051.11,1733 4267.53,1733 ; 4051.11,1733 4267.53,1733 ; 4256.76,2973 ccw(c4256.76,3007.38) 4281.07,2983.07 ; 4256.76,2973 ccw(c4256.76,3007.38) 4281.07,2983.07 ; 4267.53,1733 cw(c4267.53,1721.53) 4279,1721.53 ; 4267.53,1733 cw(c4267.53,1721.53) 4279,1721.53 ; 4279,1600.91 ccw(c4319.91,1600.91) 4319.91,1560 ; 4279,1600.91 ccw(c4319.91,1600.91) 4319.91,1560 ; 4279,1600.91 4279,1721.53 ; 4279,1600.91 4279,1721.53 ; 4281.07,2983.07 cw(c4321.94,2942.2) 4321.94,3000 ; 4281.07,2983.07 cw(c4321.94,2942.2) 4321.94,3000 ; 4319.91,1560 5085,1560 ; 4319.91,1560 5085,1560 ; 4321.94,3000 5080,3000 ; 4321.94,3000 5080,3000 ; 4939,2092 4939,2467 ; 4939,2092 5130,2092 ; 4939,2092 5130,2092 ; 4939,2092 4939,2467 ; 4939,2467 5130,2467 ; 4939,2467 5130,2467 ; 5080,3000 cw(c5080,2950) 5130,2950 ; 5080,3000 cw(c5080,2950) 5130,2950 ; 5083,1560 ccw(c5083,1607) 5130,1607 ; 5083,1560 ccw(c5083,1607) 5130,1607 ; 5083,1560 5085,1560 ; 5130,1607 5130,2092 ; 5130,1607 5130,2092 ; 5130,2467 5130,2950 ; 5130,2467 5130,2950

## Other copper
Top Layer:
  region net NetOBD1_16: 2382,1590 2382,1746 2552,1746 2551,1590
  region net OBD_P9: 2379,2817 2379,2973 2549,2973 2548,2817
  region net GND: 4869,2176 4869,2114.77 4858.5,2114.77 4858.5,2176.65
  region net GND: 4900,2169 4902.8,2169 4902.8,2131.33 4911.65,2131.33 4911.65,2166.81
  region net GND: 4902.8,2412.26 4902.8,2386.25 4920,2386.25 4920,2439.45 4922.48,2439.45
Bottom Layer:
  region net OBD_P8: 2367,1596 2367,1725 2546,1725 2546,1596
  region net OBD_P1: 2386,2847 2386,2976 2565,2976 2565,2847

## Silkscreen, mask and mechanical layers (free items; w line width, h text height)
Top Overlay:
  lines w20: 3888,2542 3888.1,2542
Top Solder:
  drawing of 10 lines, arcs and shapes, not listed
Bottom Solder:
  drawing of 17 lines, arcs and shapes, not listed
  text "Connected Car Center" at 4896.92,1599 h90